# Allegro board Chronos.brd (continued)
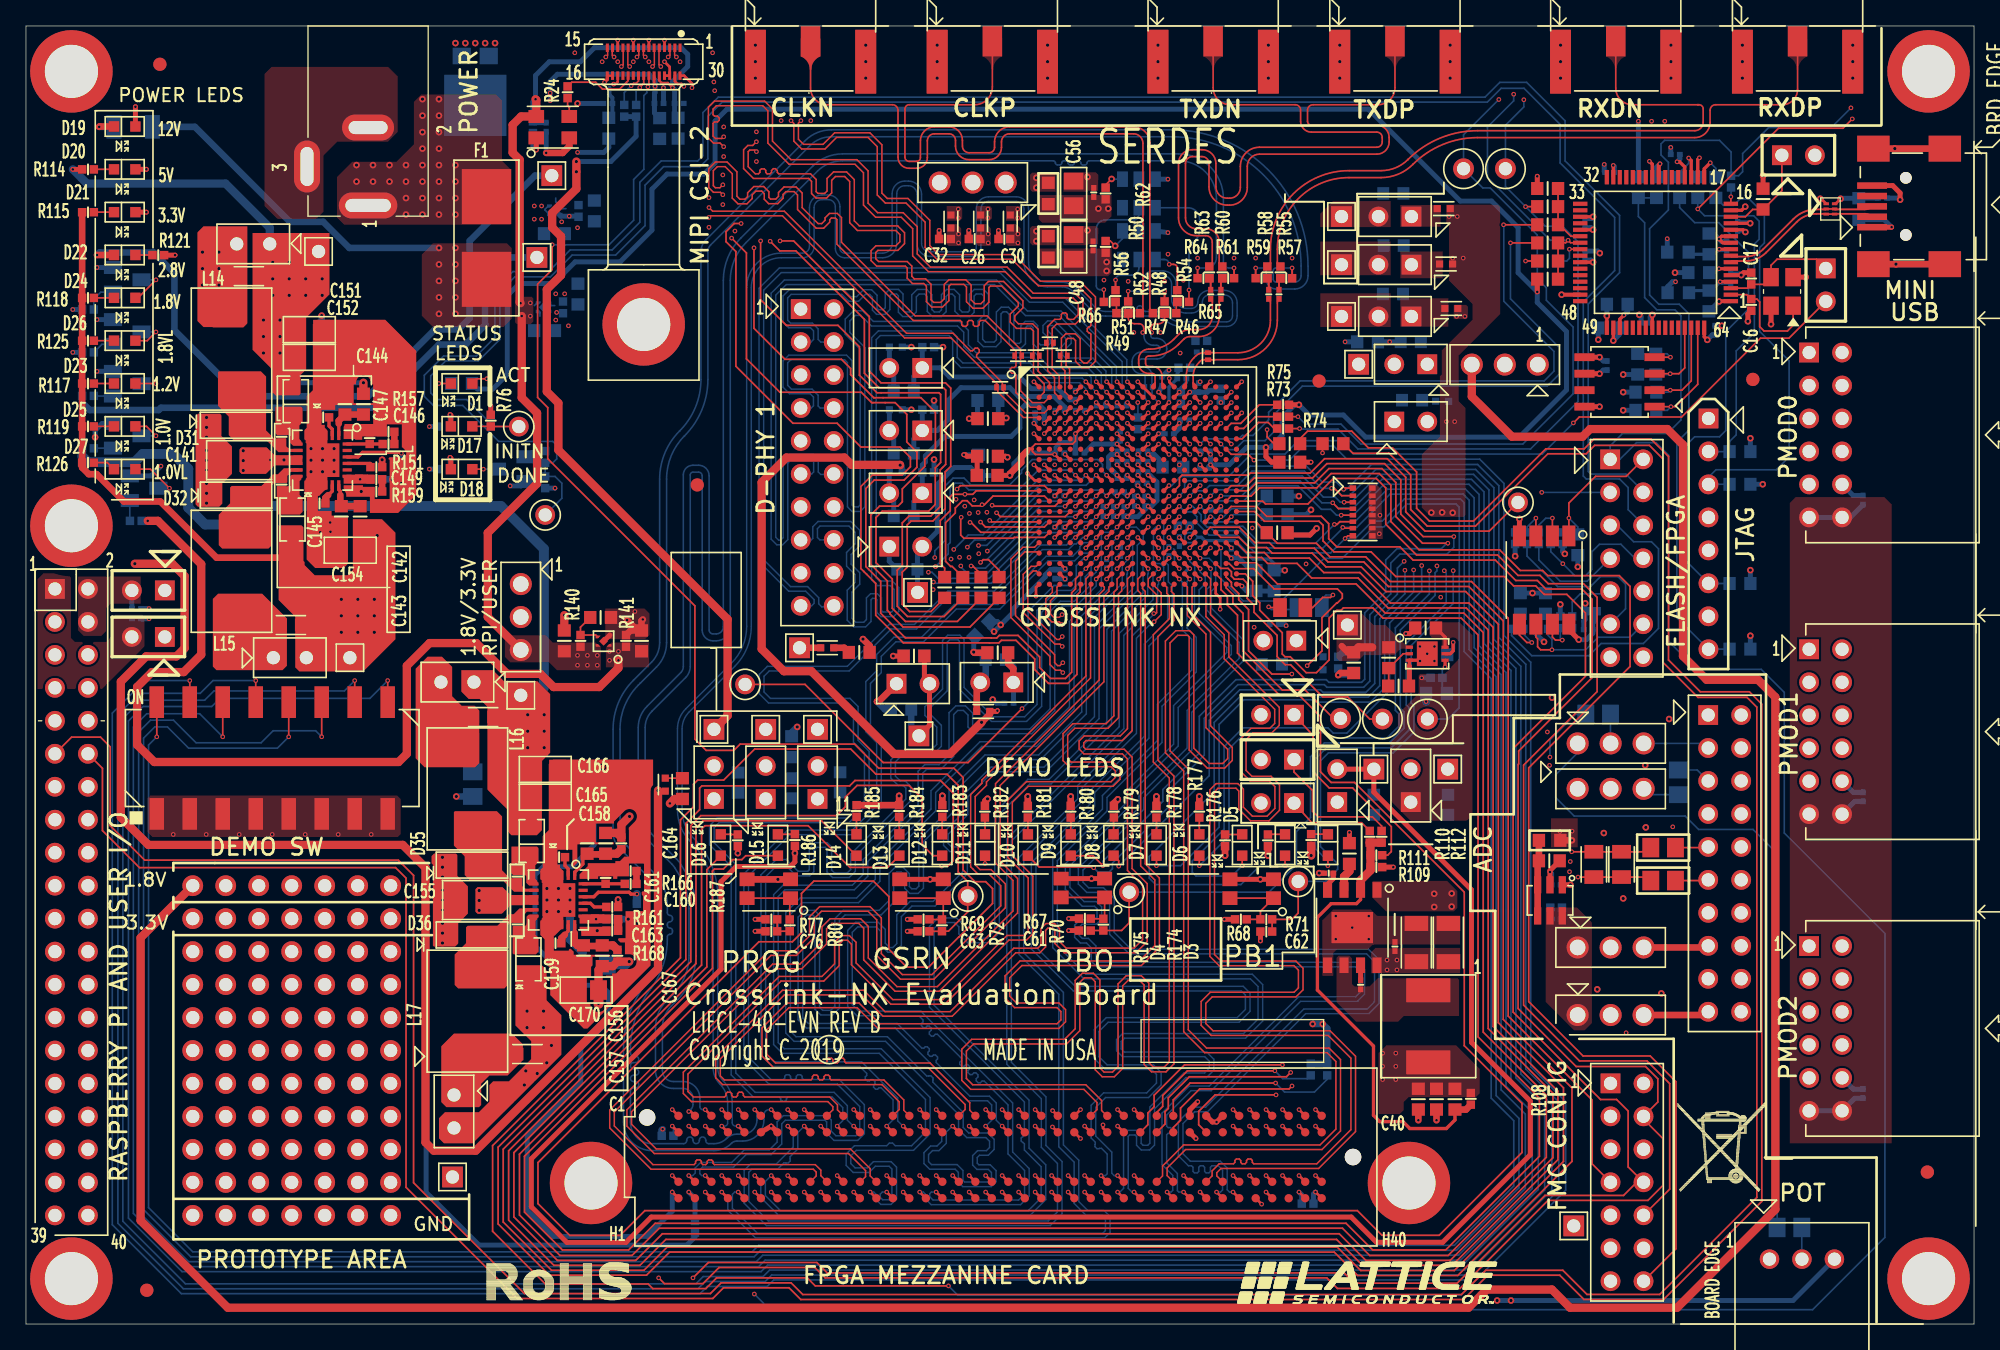
[diagram p0: board, top side]
## Routing (per net, layer and track width the routed paths; a pad name or vN(x,y) marks a point on that pad's centre or on a via; arc(x,y) is an arc through that point) (continued)
FMC_LA19_N: length 91.4
  TOP w0.203: U3.T12 v1(87.21,59.79) ; U9.H23 v1(77.7,10.17)
  L04_SIG w0.102: v1(87.21,59.79) 87.6,59.4 87.6,57.16 87.42,56.98 87.42,55.41 89.84,52.99 89.84,39.21 88.62,37.99 88.62,28.98 90.68,26.92 90.68,21.21 87.46,17.99 87.46,5.82 87.04,5.41 77.83,5.41 77.39,5.85 77.39,6.55 77.79,6.95 84.1,6.95 84.46,7.31 84.46,11.65 83.97,12.14 77.59,12.14 77.24,11.8 77.24,10.63 77.7,10.17 v1(77.7,10.17)
FMC_LA19_P: length 91.4
  TOP w0.203: U9.H22 v1(76.43,10.17) ; U3.U12 v1(87.21,58.99)
  L04_SIG w0.102: v1(87.21,58.99) 86.82,58.6 86.82,57.15 87.07,56.9 87.07,55.26 89.48,52.85 89.48,39.36 88.26,38.14 88.26,28.83 90.32,26.77 90.32,21.36 87.1,18.14 87.1,5.97 86.9,5.76 77.98,5.76 77.74,6 77.74,6.4 77.94,6.59 79.6,6.59 79.71,6.49 79.71,6.4 79.81,6.3 80.01,6.3 80.11,6.4 80.11,6.49 80.21,6.59 80.42,6.59 80.52,6.49 80.52,6.4 80.62,6.3 80.82,6.3 80.92,6.4 80.92,6.49 81.03,6.59 84.25,6.59 84.82,7.16 84.82,11.8 84.12,12.5 77.44,12.5 76.89,11.94 76.89,10.48 76.57,10.17 v1(76.43,10.17)
FMC_LA20_N: length 91.4
  TOP w0.203: U9.G22 v1(76.43,11.44) ; U3.T11 v1(85.61,60.59)
  L04_SIG w0.102: v1(76.43,11.44) 76.15,11.44 75.97,11.63 75.97,12.85 76.35,13.23 80.06,13.23 80.74,13.91 80.74,16.99 80.89,17.14 80.89,19.92 78.97,21.84 73.15,21.84 71.79,23.2 71.79,24.4 74.12,26.72 75.81,26.72 76.77,27.68 76.77,29.43 77.06,29.72 77.68,29.72 77.91,29.49 77.91,26.78 78.42,26.27 79.18,26.27 79.61,26.71 79.61,31.84 80.11,32.34 80.95,32.34 81.38,31.91 81.38,26.72 82,26.09 83.06,26.09 83.68,26.72 83.68,33.51 85.35,35.18 85.35,37.78 86.49,38.92 86.49,50.87 85.05,52.31 85.05,57.75 85.2,57.9 85.2,59.73 85.61,60.13 v1(85.61,60.59)
FMC_LA20_P: length 91.4
  TOP w0.203: U9.G21 v1(75.16,11.44) ; U3.T10 v1(84.81,59.79)
  L04_SIG w0.102: v1(84.81,59.79) 84.81,59.55 84.42,59.16 84.42,57.88 84.7,57.6 84.7,52.17 86.14,50.73 86.14,39.07 84.99,37.92 84.99,35.33 83.33,33.66 83.33,26.86 82.91,26.45 82.14,26.45 81.73,26.86 81.73,30.22 81.83,30.32 81.95,30.32 82.05,30.42 82.05,30.62 81.95,30.73 81.83,30.73 81.73,30.83 81.73,31.03 81.83,31.13 81.95,31.13 82.05,31.23 82.05,31.44 81.95,31.54 81.83,31.54 81.73,31.64 81.73,32.06 81.1,32.69 79.96,32.69 79.26,31.99 79.26,26.85 79.03,26.63 78.57,26.63 78.27,26.93 78.27,29.63 77.83,30.08 76.91,30.08 76.41,29.58 76.41,27.82 75.67,27.08 73.97,27.08 71.44,24.55 71.44,23.05 73,21.48 78.82,21.48 80.53,19.77 80.53,17.29 80.38,17.13 80.38,14.05 79.91,13.58 76.2,13.58 75.61,13 75.61,11.65 75.39,11.44 v1(75.16,11.44)
FMC_LA21_N: length 91.4
  TOP w0.203: U3.R13 v1(88.01,61.39) ; U9.H26 v1(81.51,10.17)
  L04_SIG w0.102: v1(88.01,61.39) 88.01,61.15 88.4,60.76 88.4,59.96 88.76,59.6 89.22,59.14 89.22,57.11 89.44,56.89 89.44,55.63 91.8,53.27 91.8,38 91.45,37.65 91.45,30.77 92.35,29.86 92.35,20.67 89.24,17.56 89.24,12.76 89.61,12.39 89.61,5.2 88.32,3.91 75.6,3.91 74.34,5.17 74.34,5.56 74.44,5.67 74.71,5.67 74.82,5.77 74.82,5.96 74.71,6.07 74.44,6.07 74.34,6.17 74.34,6.38 74.44,6.48 74.71,6.48 74.82,6.58 74.82,6.78 74.71,6.88 74.44,6.88 74.34,6.99 74.34,7.88 75.47,9.01 77.23,9.01 77.33,8.91 77.33,8.72 77.43,8.62 77.62,8.62 77.73,8.73 77.73,8.91 77.84,9.01 78.04,9.01 78.14,8.91 78.14,8.72 78.24,8.62 78.43,8.62 78.55,8.73 78.55,8.91 78.65,9.01 78.85,9.01 78.95,8.91 78.95,8.72 79.05,8.62 79.24,8.62 79.36,8.73 79.36,8.91 79.46,9.01 80.69,9.01 81.13,9.44 81.13,9.83 81.46,10.17 v1(81.51,10.17)
FMC_LA21_P: length 91.4
  TOP w0.203: U9.H25 v1(80.24,10.17) ; U3.P13 v1(88.01,62.19)
  L04_SIG w0.102: v1(80.24,10.17) 80.42,10.17 80.77,9.81 80.77,9.59 80.55,9.36 75.32,9.36 73.98,8.02 73.98,5.02 75.45,3.56 88.47,3.56 89.97,5.06 89.97,12.53 89.59,12.91 89.59,17.41 92.71,20.53 92.71,30.01 91.8,30.91 91.8,37.5 92.16,37.85 92.16,53.41 89.8,55.77 89.8,56.84 90,57.05 90,59.25 89.86,59.39 89.47,59.39 89.3,59.57 89.29,59.57 89.01,59.85 89.01,60.16 89.21,60.36 89.21,60.79 89.03,60.97 88.69,60.97 88.41,61.25 88.41,61.79 v1(88.01,62.19)
FMC_LA22_N: length 91.4
  TOP w0.203: U3.U14 v1(88.81,58.99) ; U9.G25 v1(80.24,11.44)
  L04_SIG w0.102: v1(80.24,11.44) 80.19,11.39 79.96,11.39 79.83,11.26 79.83,11.1 79.96,10.97 83.21,10.97 83.66,10.52 83.66,8.23 83.25,7.82 77.94,7.82 77.84,7.72 77.84,7.64 77.74,7.54 77.54,7.54 77.43,7.64 77.43,7.72 77.33,7.82 76.38,7.82 75.85,7.29 75.85,5.12 76.12,4.85 87.83,4.85 88.28,5.3 88.28,17.92 91.24,20.88 91.24,29.35 91.09,29.5 90.88,29.5 90.22,28.84 89.61,28.84 89.2,29.25 89.2,37.27 90.84,38.91 90.84,52.84 88.06,55.63 88.06,58.24 v1(88.81,58.99)
FMC_LA22_P: length 91.4
  TOP w0.203: U9.G24 v1(78.97,11.44) ; U3.V14 v1(88.81,58.19)
  L04_SIG w0.102: v1(78.97,11.44) 79.29,11.44 79.48,11.25 79.48,10.95 79.81,10.61 83.06,10.61 83.3,10.37 83.3,8.37 83.1,8.17 76.23,8.17 75.5,7.44 75.5,4.97 75.98,4.49 87.98,4.49 88.64,5.15 88.64,17.77 91.6,20.73 91.6,29.5 91.24,29.86 90.73,29.86 90.07,29.2 89.75,29.2 89.56,29.39 89.56,37.12 91.2,38.77 91.2,52.99 88.42,55.77 88.42,57.8 v1(88.81,58.19)
FMC_LA23_N: length 91.4
  TOP w0.203: U9.D24 v1(79.04,15.18) ; U3.R11 v1(86.41,61.39)
  L04_SIG w0.102: v1(79.04,15.18) 78.92,15.18 78.52,15.59 78.52,18.72 77.31,19.93 74.48,19.93 73.47,18.92 72.5,18.92 71.9,19.52 71.9,19.66 72.04,19.8 72.04,19.94 71.89,20.08 71.75,20.08 71.61,19.95 71.47,19.95 71.33,20.09 71.33,20.24 71.46,20.37 71.46,20.51 71.32,20.66 71.17,20.66 71.04,20.52 70.9,20.52 70.75,20.67 70.75,20.81 70.89,20.95 70.89,21.09 70.74,21.23 70.6,21.23 70.46,21.1 70.32,21.1 69.45,21.97 56.85,21.97 56.34,22.49 56.34,24.08 56.72,24.46 58.48,24.46 59.6,25.58 63.97,25.58 64.41,26.02 70.68,26.02 83.47,38.81 83.47,51.13 82.7,51.91 82.7,56.77 82.82,56.89 82.82,57.56 83.05,57.79 83.35,57.79 83.36,57.8 83.37,57.8 83.6,58.03 83.6,58.04 83.62,58.05 83.62,59.16 83.85,59.39 84.16,59.39 84.42,59.64 84.42,60.01 84.61,60.2 84.99,60.2 85.22,60.43 85.22,60.76 85.45,60.99 86,60.99 v1(86.41,61.39)
FMC_LA23_P: length 91.4
  TOP w0.203: U3.P11 v1(86.41,62.19) ; U9.D23 v1(77.7,15.25)
  L04_SIG w0.102: v1(86.41,62.19) 86,61.79 84.65,61.79 84.42,61.56 84.42,61.23 84.19,61.01 84.18,61.01 84.17,61 83.86,61 83.62,60.76 83.62,60.71 83.6,60.69 83.6,59.65 83.47,59.51 83.47,59.51 83.36,59.4 83.04,59.4 82.8,59.16 82.8,58.83 82.57,58.6 82.27,58.6 82.26,58.59 82.25,58.59 82.02,58.36 82.02,57.04 82.34,56.71 82.34,51.76 83.11,50.99 83.11,38.96 70.53,26.37 64.26,26.37 63.83,25.94 59.45,25.94 58.33,24.82 56.57,24.82 55.98,24.23 55.98,22.34 56.7,21.62 69.3,21.62 72.35,18.57 73.61,18.57 74.62,19.58 77.16,19.58 78.16,18.57 78.16,15.62 77.79,15.25 v1(77.7,15.25)
FMC_LA24_N: length 90.9
  TOP w0.203: U3.W15 v1(89.61,57.39) ; U9.H29 v1(85.32,10.17)
  BOTTOM w0.112: v1(89.61,57.39) 89.59,57.39 89.4,57.2 89.4,53.61 90.11,52.9 90.11,50.23 87.48,47.6 87.48,44.8 83.24,40.57 83.24,39.52 79.41,35.69 79.41,29.14 81.61,26.95 94.43,26.95 95.23,26.15 95.23,23.34 93.91,22.02 84.59,22.02 84.33,21.77 84.33,21.2 84.58,20.95 90.91,20.95 91.47,20.4 91.47,19.56 90.9,18.99 89.31,18.99 86.9,16.57 86.9,13.79 86.52,13.41 85.87,13.41 85.51,13.77 85.51,14.45 85.4,14.56 84.98,14.56 84.87,14.45 84.87,10.46 85.16,10.17 v1(85.32,10.17)
FMC_LA24_P: length 90.9
  TOP w0.203: U3.W14 v1(88.81,57.39) ; U9.H28 v1(84.05,10.17)
  BOTTOM w0.112: v1(88.81,57.39) 89.04,57.16 89.04,53.46 89.76,52.75 89.76,50.38 87.12,47.74 87.12,44.95 82.89,40.72 82.89,39.67 79.06,35.84 79.06,28.99 81.46,26.59 94.28,26.59 94.87,26 94.87,23.49 93.76,22.38 84.44,22.38 83.98,21.92 83.98,21.05 84.43,20.6 90.77,20.6 91.11,20.25 91.11,19.7 90.75,19.34 89.16,19.34 86.54,16.72 86.54,13.93 86.38,13.77 86.02,13.77 85.87,13.92 85.87,14.6 85.55,14.92 84.84,14.92 84.52,14.6 84.52,10.45 84.23,10.17 v1(84.05,10.17)
FMC_LA25_N: length 90.9
  TOP w0.203: U9.G28 v1(84.05,11.44) ; U3.P12 v1(87.21,62.19)
  BOTTOM w0.112: v1(84.05,11.44) 83.79,11.44 83.61,11.62 83.61,13.24 82.37,14.48 82.37,16.69 83.13,17.45 86.44,17.45 87.41,18.42 87.41,19.38 86.82,19.97 83.25,19.97 82.62,20.6 82.62,22.54 83.33,23.25 93.41,23.25 94.25,24.09 94.25,25.49 93.73,26.02 80.79,26.02 77.77,29.04 77.77,35.39 82.28,39.9 82.28,40.94 86.47,45.13 86.47,52.24 88.27,54.03 88.27,56.87 87.96,57.18 87.96,58.47 87.6,58.83 87.6,61.8 v1(87.21,62.19)
FMC_LA25_P: length 90.9
  TOP w0.203: U9.G27 v1(82.78,11.44) ; U3.R12 v1(87.21,61.39)
  BOTTOM w0.112: v1(82.78,11.44) 83.12,11.44 83.25,11.57 83.25,13.1 82.81,13.53 82.65,13.53 82.63,13.51 82.47,13.51 82.31,13.67 82.31,13.82 82.34,13.85 82.34,14.01 82.02,14.33 82.02,16.85 82.97,17.81 86.29,17.81 87.05,18.57 87.05,19.23 86.67,19.61 83.1,19.61 82.26,20.45 82.26,22.68 83.18,23.6 93.26,23.6 93.9,24.24 93.9,25.35 93.58,25.66 80.64,25.66 77.41,28.89 77.41,35.54 81.93,40.05 81.93,41.09 86.12,45.28 86.12,52.38 87.91,54.18 87.91,56.72 87.6,57.03 87.6,58.32 87.34,58.59 87.03,58.59 86.81,58.8 86.81,61.21 87,61.39 v1(87.21,61.39)
FMC_LA26_N: length 91.4
  TOP w0.203: U9.D27 82.93,15.1 v1(82.93,15.34) ; U3.T14 v1(88.01,60.59)
  L04_SIG w0.102: v1(82.93,15.34) 82.51,15.34 82.28,15.57 82.28,20.23 79.5,23.02 73.86,23.02 73.51,23.37 73.51,24.59 73.83,24.91 81.89,24.91 82.71,24.09 82.71,21.29 83.38,20.62 84.17,20.62 84.81,21.26 84.81,26.93 85.2,27.32 85.92,27.32 86.31,26.93 86.31,21.95 87.1,21.16 88.14,21.16 88.79,21.81 88.79,27.37 86.59,29.57 86.59,37.59 88.35,39.35 88.35,50.65 86,53 86,59.43 86.77,60.2 87.62,60.2 v1(88.01,60.59)
FMC_LA26_P: length 91.4
  TOP w0.203: U3.T13 v1(87.21,60.59) ; U9.D26 v1(81.51,15.25)
  L04_SIG w0.102: v1(81.51,15.25) 81.77,15.25 81.93,15.41 81.93,18.91 81.83,19.01 81.68,19.01 81.54,19.14 81.54,19.29 81.67,19.42 81.83,19.42 81.93,19.52 81.93,20.09 79.35,22.66 73.71,22.66 73.15,23.22 73.15,24.73 73.69,25.27 82.03,25.27 83.07,24.24 83.07,21.44 83.53,20.97 84.02,20.97 84.46,21.41 84.46,27.08 85.06,27.68 86.07,27.68 86.67,27.08 86.67,22.1 87.25,21.51 87.99,21.51 88.44,21.96 88.44,27.22 86.24,29.42 86.24,37.74 87.99,39.49 87.99,50.51 85.65,52.85 85.65,59.57 86.66,60.59 v1(87.21,60.59)
FMC_LA27_N: length 93.9
  TOP w0.112: U3.Y14 88.2,56.78 88.2,56.44 88.39,56.24 88.39,54.19 87.16,52.96 87.16,43.44 88.39,42.21 88.39,20.04 87.78,19.43 86.67,19.43 86.1,20 86.1,26.12 85.74,26.47 84.87,26.47 84.45,26.05 84.45,19.69 83.81,19.05 82.87,19.05 82.33,19.59 82.33,26.37 82.04,26.67 81.49,26.67 81.14,26.32 81.14,22.6 80.12,21.58 72.97,21.58 72.41,21.02 72.41,18.92 72.9,18.43 81.61,18.43 82.82,17.22 82.82,16.45 83.23,16.04 U9.C27
FMC_LA27_P: length 93.9
  TOP w0.112: U3.Y13 87.84,56.76 87.84,56.29 88.04,56.09 88.04,54.34 86.81,53.11 86.81,43.29 88.04,42.06 88.04,20.19 87.63,19.78 86.81,19.78 86.45,20.14 86.45,26.26 85.89,26.83 84.72,26.83 84.09,26.2 84.09,19.84 83.66,19.41 83.01,19.41 82.69,19.73 82.69,26.52 82.18,27.02 81.34,27.02 80.79,26.47 80.79,22.75 79.98,21.94 72.82,21.94 72.06,21.17 72.06,18.77 72.75,18.08 81.46,18.08 82.47,17.07 82.47,16.52 U9.C26
FMC_LA28_N: length 90.9
  TOP w0.203: U3.V16 v1(90.41,58.19) ; U9.H32 v1(89.13,10.17)
  BOTTOM w0.112: v1(89.13,10.17) 88.77,10.17 88.66,10.28 88.66,11.6 87.83,12.43 87.83,14.57 87.94,14.69 88.12,14.69 88.24,14.8 88.24,15.02 88.13,15.13 87.94,15.13 87.83,15.25 87.83,16.1 89.71,17.98 91.26,17.98 98.14,24.86 102.53,24.86 103.07,25.4 103.07,27.31 102.51,27.87 82.61,27.87 82.39,28.1 82.39,29.13 81.8,29.71 81.33,29.71 81.1,29.94 81.1,30.58 81.32,30.8 82.41,30.8 82.83,31.21 82.83,32.14 82.43,32.54 81.48,32.54 80.39,33.64 80.39,35.31 85.08,40.01 85.08,40.89 88.72,44.53 88.72,47.5 92.81,51.59 92.81,52.26 90.33,54.74 90.33,56.55 90.8,57.03 90.8,57.56 90.41,57.95 v1(90.41,58.19)
FMC_LA28_P: length 90.9
  TOP w0.203: U9.H31 v1(87.86,10.17) ; U3.U15 v1(89.61,58.99)
  BOTTOM w0.112: v1(89.61,58.99) 89.61,58.75 90,58.37 90,58.03 89.97,58.01 89.97,54.6 92.46,52.11 92.46,51.73 88.37,47.64 88.37,44.68 84.72,41.03 84.72,40.15 80.03,35.46 80.03,33.49 81.33,32.19 82.28,32.19 82.47,32 82.47,31.36 82.27,31.16 81.17,31.16 80.75,30.73 80.75,29.79 81.19,29.35 81.66,29.35 82.03,28.98 82.03,27.95 82.46,27.52 102.37,27.52 102.72,27.17 102.72,25.55 102.39,25.21 98,25.21 91.12,18.33 89.56,18.33 87.47,16.24 87.47,12.28 88.3,11.45 88.3,10.3 88.17,10.17 v1(87.86,10.17)
FMC_LA29_N: length 93.9
  TOP w0.112: U3.Y16 89.79,56.77 89.79,54.72 91.21,53.3 91.21,46.09 92.89,44.42 92.89,43.42 92.3,42.83 90.96,42.83 90.42,43.36 89.57,44.22 89.57,52.95 89.46,53.06 88.68,53.06 88.09,52.47 88.09,44.16 89.5,42.75 89.5,22.67 90.9,21.26 100.33,21.26 101.22,20.37 101.22,14.87 99.79,13.44 89.29,13.44 87.87,12.02 87.87,11.43 U9.G31
FMC_LA29_P: length 93.9
  TOP w0.112: U3.Y15 89.43,56.77 89.43,54.58 90.86,53.15 90.86,45.95 92.53,44.27 92.53,43.57 92.15,43.19 91.1,43.19 89.92,44.37 89.92,53.09 89.6,53.41 88.53,53.41 87.74,52.62 87.74,44.01 89.14,42.61 89.14,22.52 90.76,20.9 100.19,20.9 100.86,20.23 100.86,15.02 99.64,13.8 89.14,13.8 87.51,12.17 87.51,11.4 U9.G30
FMC_LA30_N: length 90.9
  TOP w0.203: U3.U16 v1(90.41,58.99) ; U9.H35 v1(92.94,10.17)
  BOTTOM w0.112: v1(92.94,10.17) 92.67,10.17 92.49,10.35 92.49,12.01 91.96,12.55 89.66,12.55 89.09,13.11 89.09,15.45 89.99,16.35 90.98,16.35 98.54,23.91 103.41,23.91 104.19,24.7 104.19,28.05 103.37,28.87 85.09,28.87 83.8,30.17 83.8,32.78 82.97,33.61 81.83,33.61 81.39,34.05 81.39,34.97 86.06,39.64 86.06,40.52 89.76,44.23 89.76,47.13 93.77,51.14 93.77,52.66 91.28,55.15 91.28,56.45 91.6,56.78 91.6,58.48 91.1,58.99 v1(90.41,58.99)
FMC_LA30_P: length 90.9
  TOP w0.203: v1(91.21,58.19) U3.V17 ; U9.H34 v1(91.67,10.17)
  BOTTOM w0.112: v1(91.21,58.19) 91.25,58.15 91.25,56.93 90.92,56.6 90.92,55.01 93.42,52.51 93.42,51.28 89.41,47.28 89.41,44.37 85.71,40.67 85.71,39.79 81.03,35.11 81.03,33.9 81.68,33.25 82.82,33.25 83.44,32.63 83.44,30.02 84.95,28.52 103.22,28.52 103.84,27.9 103.84,24.85 103.26,24.27 98.39,24.27 90.83,16.71 89.85,16.71 88.73,15.59 88.73,12.97 89.51,12.19 89.75,12.19 89.86,12.08 89.86,11.76 89.97,11.65 90.2,11.65 90.31,11.76 90.31,12.08 90.42,12.19 90.64,12.19 90.75,12.08 90.75,11.76 90.87,11.65 91.09,11.65 91.2,11.76 91.2,12.08 91.31,12.19 91.81,12.19 92.14,11.87 92.14,10.32 91.98,10.17 v1(91.67,10.17)
FMC_LA31_N: length 93.9
  TOP w0.112: U9.G34 92.14,10.96 91.69,11.41 91.69,11.65 92.02,11.99 99.54,11.99 102.38,14.83 102.38,20.63 100.41,22.59 91.41,22.59 90.85,23.15 90.85,24.71 91.34,25.2 97.79,25.2 98.33,25.75 98.33,27.41 97.78,27.96 92.02,27.96 91.52,28.47 91.52,41.01 91.79,41.28 93.17,41.28 93.39,41.06 93.39,39.67 94.29,38.77 95.71,38.77 96.52,39.58 96.52,41.55 95.88,42.19 94.4,42.19 93.95,42.65 93.95,45.01 94.47,45.54 95.92,45.54 96.5,46.12 96.5,47.51 92.62,51.39 92.62,53.24 91.21,54.65 91.21,57.39 U3.W17
FMC_LA31_P: length 93.9
  TOP w0.112: U9.G33 91.33,11.41 91.33,11.8 91.87,12.34 92.98,12.34 93.09,12.45 93.09,12.6 93.2,12.71 93.42,12.71 93.53,12.6 93.53,12.45 93.65,12.34 93.87,12.34 93.98,12.45 93.98,12.6 94.09,12.71 94.32,12.71 94.43,12.6 94.43,12.45 94.54,12.34 99.39,12.34 102.02,14.97 102.02,20.48 100.27,22.23 91.26,22.23 90.49,23.01 90.49,24.86 91.19,25.56 97.64,25.56 97.98,25.89 97.98,27.26 97.63,27.61 91.87,27.61 91.16,28.32 91.16,41.15 91.64,41.63 93.32,41.63 93.74,41.21 93.74,39.81 94.43,39.12 95.56,39.12 96.17,39.73 96.17,41.4 95.73,41.84 94.25,41.84 93.59,42.5 93.59,45.16 94.33,45.9 95.78,45.9 96.15,46.27 96.15,47.36 92.27,51.25 92.27,53.09 90.86,54.5 90.86,56.95 U3.Y17
FMC_PRSNT: length 169.8
  TOP w0.127: v1(51.36,3.56) 52.54,4.74 60.9,4.74 61.7,3.94 101.5,3.94 102.29,3.15 110.2,3.15 116.96,9.91 123.01,9.91 124.03,10.92 J27.8 123.37,12.1 123.37,16.41 122.48,17.3 121.24,17.3 114.51,24.03 114.51,44.33 120.08,49.9 120.08,54.78 118.64,56.21 116.9,56.21 116.25,56.86 114.55,56.86 113.83,57.59 105.47,57.59 103.57,59.49 100.72,59.49 99.87,60.33 99.87,61.53 99.57,61.84 95.36,61.84 94.61,62.59 U3.N20
  TOP w0.203: U9.H2 v1(51.03,10.17)
  L04_SIG w0.127: v1(51.03,10.17) 50.43,9.57 50.43,4.48 v1(51.36,3.56)
  BOTTOM w0.381: R101.1 51.52,9.69 v1(51.03,10.17)
FMC_SCL: length 143.3
  TOP w0.127: U3.M20 95.23,63.39 95.44,63.18 98.71,63.18 100.67,65.14 103.97,65.14 104.7,64.41 104.7,61.62 107.08,59.24 113.32,59.24 114.89,57.67 116.58,57.67 117.21,57.03 119.93,57.03 120.98,55.98 120.98,48.72 115.32,43.06 115.32,24.57 119.62,20.27 124.82,20.27 126.57,18.52 126.57,10.4 J27.10 ; v1(96.16,19.51) 89.43,19.51 87.53,17.61 87.53,16.76 87.07,16.31 U9.C30
  L04_SIG w0.127: v1(96.16,19.51) 96.82,18.85 98.96,18.85 103.09,22.98 108.33,22.98 121.66,9.65 123.28,9.65 J27.10
  BOTTOM w0.127: R107.1 98.67,18.9 96.77,18.9 v1(96.16,19.51)
FMC_SDA: length 158.1
  TOP w0.127: J27.14 127.05,5.8 127.05,18.67 125.07,20.65 119.9,20.65 115.71,24.84 115.71,42.85 123.51,50.65 123.51,56.83 122.69,57.65 117.18,57.65 116.78,58.05 115.06,58.05 113.47,59.64 107.28,59.64 105.1,61.82 105.1,64.62 104.2,65.52 100.49,65.52 99.39,64.42 94.97,64.42 94.34,63.78 92.8,63.78 U3.M19 ; U9.C31 88.34,17.27 89.64,18.57 v1(96.22,18.57)
  L04_SIG w0.127: v1(96.22,18.57) 97.03,17.75 99.16,17.75 103.56,22.15 107.96,22.15 120.93,9.19 120.93,5.1 121.5,4.53 123.33,4.53 J27.14
  BOTTOM w0.127: R106.1 100.2,18.86 99.21,17.87 96.91,17.87 v1(96.22,18.57)
FMC_TCK: length 124.3
  TOP w0.127: U9.D29 86.39,15.36 86.39,16.26 86.87,16.74 86.87,17.63 89.2,19.96 v1(96.75,19.96)
  TOP w0.203: U3.P19 v1(92.81,62.19)
  L04_SIG w0.127: v1(96.75,19.96) 98.91,19.96 102.73,23.79 108.67,23.79 116.45,16 J27.3 123.36,17.35 125.2,17.35 127.34,19.49 127.34,27.62 127.77,28.04 127.77,46.79 126.56,48 120.54,48 118.41,50.12 116.61,50.12 114.74,51.99 114.74,53.9 111.85,56.8 105.7,56.8 103.55,58.94 100.37,58.94 99.72,59.6 98.75,59.6 98.05,60.3 97.56,60.3 95.66,62.19 v1(92.81,62.19)
  BOTTOM w0.127: R105.1 92.97,62.36 v1(92.81,62.19)
FMC_TDI: length 115.4
  TOP w0.127: J27.7 120.6,12.33 120.6,17.26 114.13,23.72 114.13,54.37 111.3,57.2 105.06,57.2 103.16,59.1 100.4,59.1 99.36,60.15 96.35,60.15 R102.2 94.71,61.79 U3.P20 ; v1(97.38,19.38) 97.05,19.05 89.58,19.05 87.96,17.43 87.96,16.61 87.71,16.36 87.71,15.41 U9.D30
  L04_SIG w0.127: v1(97.38,19.38) 98.88,19.38 102.88,23.37 108.54,23.37 121,10.92 J27.7
FMC_TDO: length 139.7
  TOP w0.127: v1(97.49,18.34) 97.26,18.11 90.37,18.11 88.9,16.64 88.9,15.7 88.34,15.14 U9.D31
  TOP w0.203: U3.P17 v1(91.21,62.19)
  L04_SIG w0.127: v1(91.21,62.19) 91.6,61.8 92.28,61.8 92.41,61.93 92.41,62.36 92.71,62.66 93.67,62.66 93.7,62.64 95.76,62.64 97.72,60.68 98.2,60.68 98.91,59.98 99.88,59.98 100.53,59.33 103.76,59.33 105.91,57.18 112.1,57.18 115.12,54.15 115.12,52.16 116.76,50.52 118.58,50.52 120.71,48.4 126.78,48.4 128.15,47.03 128.15,27.86 127.73,27.44 127.73,9.21 125.6,7.09 123.31,7.09 J27.9 122.01,8.76 108.2,22.57 103.29,22.57 99.06,18.34 v1(97.49,18.34)
  BOTTOM w0.127: R103.2 95.41,60.96 94.58,61.79 91.76,61.79 91.36,62.19 v1(91.21,62.19)
FMC_TMS: length 145.6
  TOP w0.127: U9.D33 90.3,15.35 90.3,16.38 91.57,17.65 v1(96.26,17.65)
  TOP w0.203: U3.P18 v1(92.01,62.19)
  L04_SIG w0.127: v1(92.01,62.19) 92.01,62.44 92.59,63.02 95.92,63.02 97.88,61.06 98.36,61.06 99.06,60.36 100.04,60.36 100.69,59.71 103.93,59.71 106.07,57.56 112.37,57.56 115.5,54.43 115.5,52.33 116.92,50.92 118.76,50.92 120.88,48.8 126.93,48.8 128.53,47.21 128.53,27.7 128.11,27.29 128.11,5.08 125.31,2.28 123.03,2.28 J27.13 120.5,4.82 120.5,8.97 107.77,21.7 103.72,21.7 99.31,17.3 96.61,17.3 v1(96.26,17.65)
  BOTTOM w0.127: R104.2 94.58,62.81 92.83,62.81 92.21,62.19 v1(92.01,62.19)
FMC_VREF: length 208.2
  TOP w0.203: U9.H1 v1(49.76,10.17) ; U3.Y18 91.61,56.28 91.95,55.94 v1(91.95,55.07) ; v1(81.61,59.79) U3.T6
  L03_PWR w0.381: v1(81.61,59.79) 80.49,59.79 76.78,56.08 73.91,56.08 70.66,52.83 67.23,52.83 63.17,48.77 56.64,48.77 55.88,48.01 52.49,48.01 47.41,42.93 v1(44.42,42.93)
  L04_SIG w0.381: v1(49.76,10.17) 49.76,3.75 52.13,1.39 57.76,1.39 58.28,1.9 73.48,1.9 74.37,2.79 89.59,2.79 91.08,4.29 91.08,17.57 93.5,19.98 93.5,32.38 93.9,32.79 93.9,33.84 93.05,34.7 93.05,53.97 v1(91.95,55.07)
  BOTTOM w0.305: 43.74,41.98 43.74,42.24 v1(44.42,42.93)
  BOTTOM w0.381: v1(49.76,10.17) 49.76,8.69 47.82,6.75 40.62,6.75 38.6,8.78 38.6,14.42 42.72,18.55 42.72,21.23 44.85,23.36 44.85,25.53 44.28,26.1 42.25,26.1 39.19,29.15 39.19,34.59 39.83,35.23 42.06,35.23 43.74,36.91 43.74,41.98
FT_EECLK: length 8.4
  TOP w0.127: U1.62 128.23,72.66 127.5,71.94 v1(126.61,71.94) U2.2
  BOTTOM w0.127: R11.2 126.46,71.79 v1(126.61,71.94)
FT_EECS: length 9.6
  TOP w0.127: U2.1 v1(126.66,70.67) 127.01,70.67 128.73,72.39 U1.63
  BOTTOM w0.127: v1(126.66,70.67) 126.38,70.39 R10.2
FT_EEDATA: length 6.7
  TOP w0.127: U1.61 127.73,73.66 127.28,73.21 v1(126.61,73.21) U2.3
  BOTTOM w0.127: v1(126.61,73.21) 126.55,73.15 R16.1
FT_OSCI: length 8.8
  TOP w0.127: U1.2 132.5,79.3 C16.2 133.28,78.96 133.5,78.74 133.5,76.83 133.83,76.5 135.64,76.5 136.07,76.94 X1.1
FT_OSCO: length 9.1
  TOP w0.127: U1.3 132.55,79.8 C17.2 133.81,80.09 X1.3 134.37,81.56 134.84,82.03 137.87,82.03 JP2.1
FT_REF: length 1.8
  TOP w0.254: U1.6 v1(130.36,81.3)
  BOTTOM w0.254: R13.2 130.06,81 v1(130.36,81.3)
FT_RSTB: length 7.5
  TOP w0.127: JP1.1 135.2,87.31 R9.1 132.96,85.86 132.39,85.3 U1.14
FT_VPHY: length 4.4
  TOP w0.254: U1.4 v1(130.45,80.3)
  BOTTOM w0.254: L3.1 128.22,79.62 C10.2 129.77,79.62 v1(130.45,80.3) 130.56,80.19 C9.1
FT_VPLL: length 4.1
  TOP w0.254: U1.9 v1(130.38,82.8)
  BOTTOM w0.254: L1.1 128.19,82.41 C6.2 129.99,82.41 v1(130.38,82.8) 130.47,82.71 C7.1
GSRN: length 245.6
  TOP w0.127: U3.G19 92.8,67 94.1,67 v1(94.55,66.55) ; v1(71.03,2.94) 60.78,2.94 60.16,3.56 53.18,3.56 52.35,2.73 48.26,2.73 47.91,3.09 39.99,3.09 35.93,7.15 35.93,13.75 50.4,28.21 50.4,38.84 51.4,39.84 51.4,41.58 51.72,41.91 53.72,41.91 56.11,44.3 63.51,44.3 65.45,42.36 70.92,42.36 71.78,41.5 71.78,34.82 72.51,34.09 TP7.1 72.51,31.75 71.03,30.26 R72.2 70.53,30.26 C63.1
  BOTTOM w0.127: v1(94.55,66.55) 97.29,66.55 98.37,67.64 100.7,67.64 101.71,66.62 111.94,66.62 113.81,64.75 113.81,53.04 115.87,50.98 115.87,19.82 118.56,17.13 118.56,10.31 110.46,2.22 71.75,2.22 v1(71.03,2.94)
INITN: length 210.2
  TOP w0.127: TP10.1 37.94,69.15 R76.2 35.78,69.16 D17.1
  TOP w0.203: U3.D11 v1(86.41,70.19)
  L04_SIG w0.127: J20.6 125.55,62.56 125.55,67.49 124.4,68.64 123.23,68.64 122.14,69.73 122.14,71.4 117.76,75.77 106.48,75.77 105.75,76.5 101.06,76.5 99.45,74.89 96.94,74.89 96.63,74.89 96.31,74.89 90.14,74.89 89.74,74.89 88.96,74.11 85.94,74.11 85.18,73.35 85.18,71.67 85.45,71.41 85.79,71.41 86.02,71.18 86.02,70.59 v1(86.41,70.19)
  BOTTOM w0.127: TP10.1 36.02,69.14 33.93,71.22 31.67,71.22 31.17,71.73 31.17,73.04 32.31,74.19 34.83,74.19 36.48,75.85 36.48,79.51 37.65,80.68 40.38,80.68 42.06,82.35 45.41,82.35 47.67,84.61 47.67,87.73 49.09,89.16 51.9,89.16 52.51,89.76 52.51,93.04 53.6,94.13 112.52,94.13 113.59,95.2 115.35,95.2 118.13,92.42 118.13,89.45 122.33,85.25 122.33,81.15 119.91,78.74 119.91,65.33 120.14,65.1 122.71,65.1 123.37,64.44 123.37,62.74 124.52,61.58 J20.6
LED0: length 60.9
  TOP w0.127: D3.1 v1(100.25,35.31)
  TOP w0.203: U3.E17 v1(91.21,69.39)
  L04_SIG w0.127: v1(91.21,69.39) 91.21,69.26 90.86,68.91 89.97,68.91 89.22,68.16 89.22,66.83 89.46,66.59 91.37,66.59 91.39,66.57 91.41,66.57 91.87,66.11 96.06,66.11 96.46,65.71 97.76,65.71 98.27,65.2 104.68,65.2 106.8,63.09 106.8,61.19 109.21,58.77 v1(109.21,58.03)
  BOTTOM w0.127: v1(109.21,58.03) 109.36,57.89 109.36,55.51 106.28,52.43 106.28,47.68 106.49,47.48 106.49,45.75 105.12,44.39 100.13,44.39 99.29,43.55 99.29,36.62 100.25,35.66 v1(100.25,35.31)
LED1: length 75.4
  TOP w0.127: D4.1 v1(96.95,35.31)
  TOP w0.203: U3.F13 v1(88.01,67.79)
  L04_SIG w0.127: v1(106.18,58.07) 106.18,58.07 104.17,60.09 100.85,60.09 100.2,60.74 99.22,60.74 98.52,61.44 98.03,61.44 96.05,63.42 95.51,63.42 95.37,63.56 92.51,63.56 92.35,63.4 89.45,63.4 89.22,63.63 89.22,63.67 89.2,63.68 89.2,64.82 88.95,65.07 88.09,65.07 87.53,65.63 87.53,67.31 v1(88.01,67.79)
  BOTTOM w0.127: v1(96.95,35.31) 95.01,35.31 93.55,33.86 86.99,33.86 86.49,34.35 86.49,36.01 91.49,41.01 91.49,46.35 93.61,48.47 99.39,48.47 99.57,48.29 103.36,48.29 104.24,49.17 104.24,54.32 106.18,56.27 v1(106.18,58.07)
LED2: length 67.3
  TOP w0.127: D5.1 v1(93.65,35.31)
  TOP w0.203: U3.G13 v1(88.01,66.99)
  L04_SIG w0.127: v1(88.01,66.99) 88.01,65.66 88.27,65.41 89.13,65.41 89.52,65.02 93.64,65.02 93.7,64.97 95.59,64.97 95.99,64.57 96.52,64.57 97.86,63.23 100.06,63.23 100.45,62.84 101.92,62.84 102.45,63.37 104.72,63.37 105.56,62.53 105.56,60.61 107.47,58.7 v1(107.47,58.43)
  BOTTOM w0.127: v1(93.65,35.31) 92.85,34.51 90.09,34.51 89.8,34.81 89.8,35.66 92.25,38.11 92.25,44.48 93.71,45.93 100.25,45.93 100.65,45.53 101.71,45.53 105,48.81 105,54.01 107.47,56.48 v1(107.47,58.43)
LED3: length 65
  TOP w0.127: D6.1 v1(90.35,35.31)
  TOP w0.203: U3.F14 v1(88.81,67.79)
  L04_SIG w0.127: v1(108.06,58.02) 108.06,58.71 105.94,60.84 105.94,62.69 104.84,63.79 100.28,63.79 99.64,64.42 97.97,64.42 97.45,64.95 96.14,64.95 95.74,65.35 89.67,65.35 89.28,65.74 88.6,65.74 88.4,65.93 88.4,67.39 v1(88.81,67.79)
  BOTTOM w0.127: v1(108.06,58.02) 108.06,56.25 105.44,53.63 105.44,47.28 105.73,46.99 105.73,46.07 104.8,45.15 100.49,45.15 100.09,45.55 93.87,45.55 92.63,44.32 92.63,37.6 v1(90.35,35.31)
LED4: length 61
  TOP w0.127: D7.1 v1(87.05,35.31)
  TOP w0.203: U3.L16 v1(90.41,64.59)
  L04_SIG w0.127: v1(90.41,64.59) 90.46,64.54 95.47,64.54 95.83,64.19 96.37,64.19 98.35,62.2 100.76,62.2 101.16,61.8 101.99,61.8 103.17,62.99 104.56,62.99 105.18,62.37 105.18,60.3 106.85,58.62 v1(106.85,58.09)